# Altium PCB amp.PcbDoc (part 5 of 20) (continued)
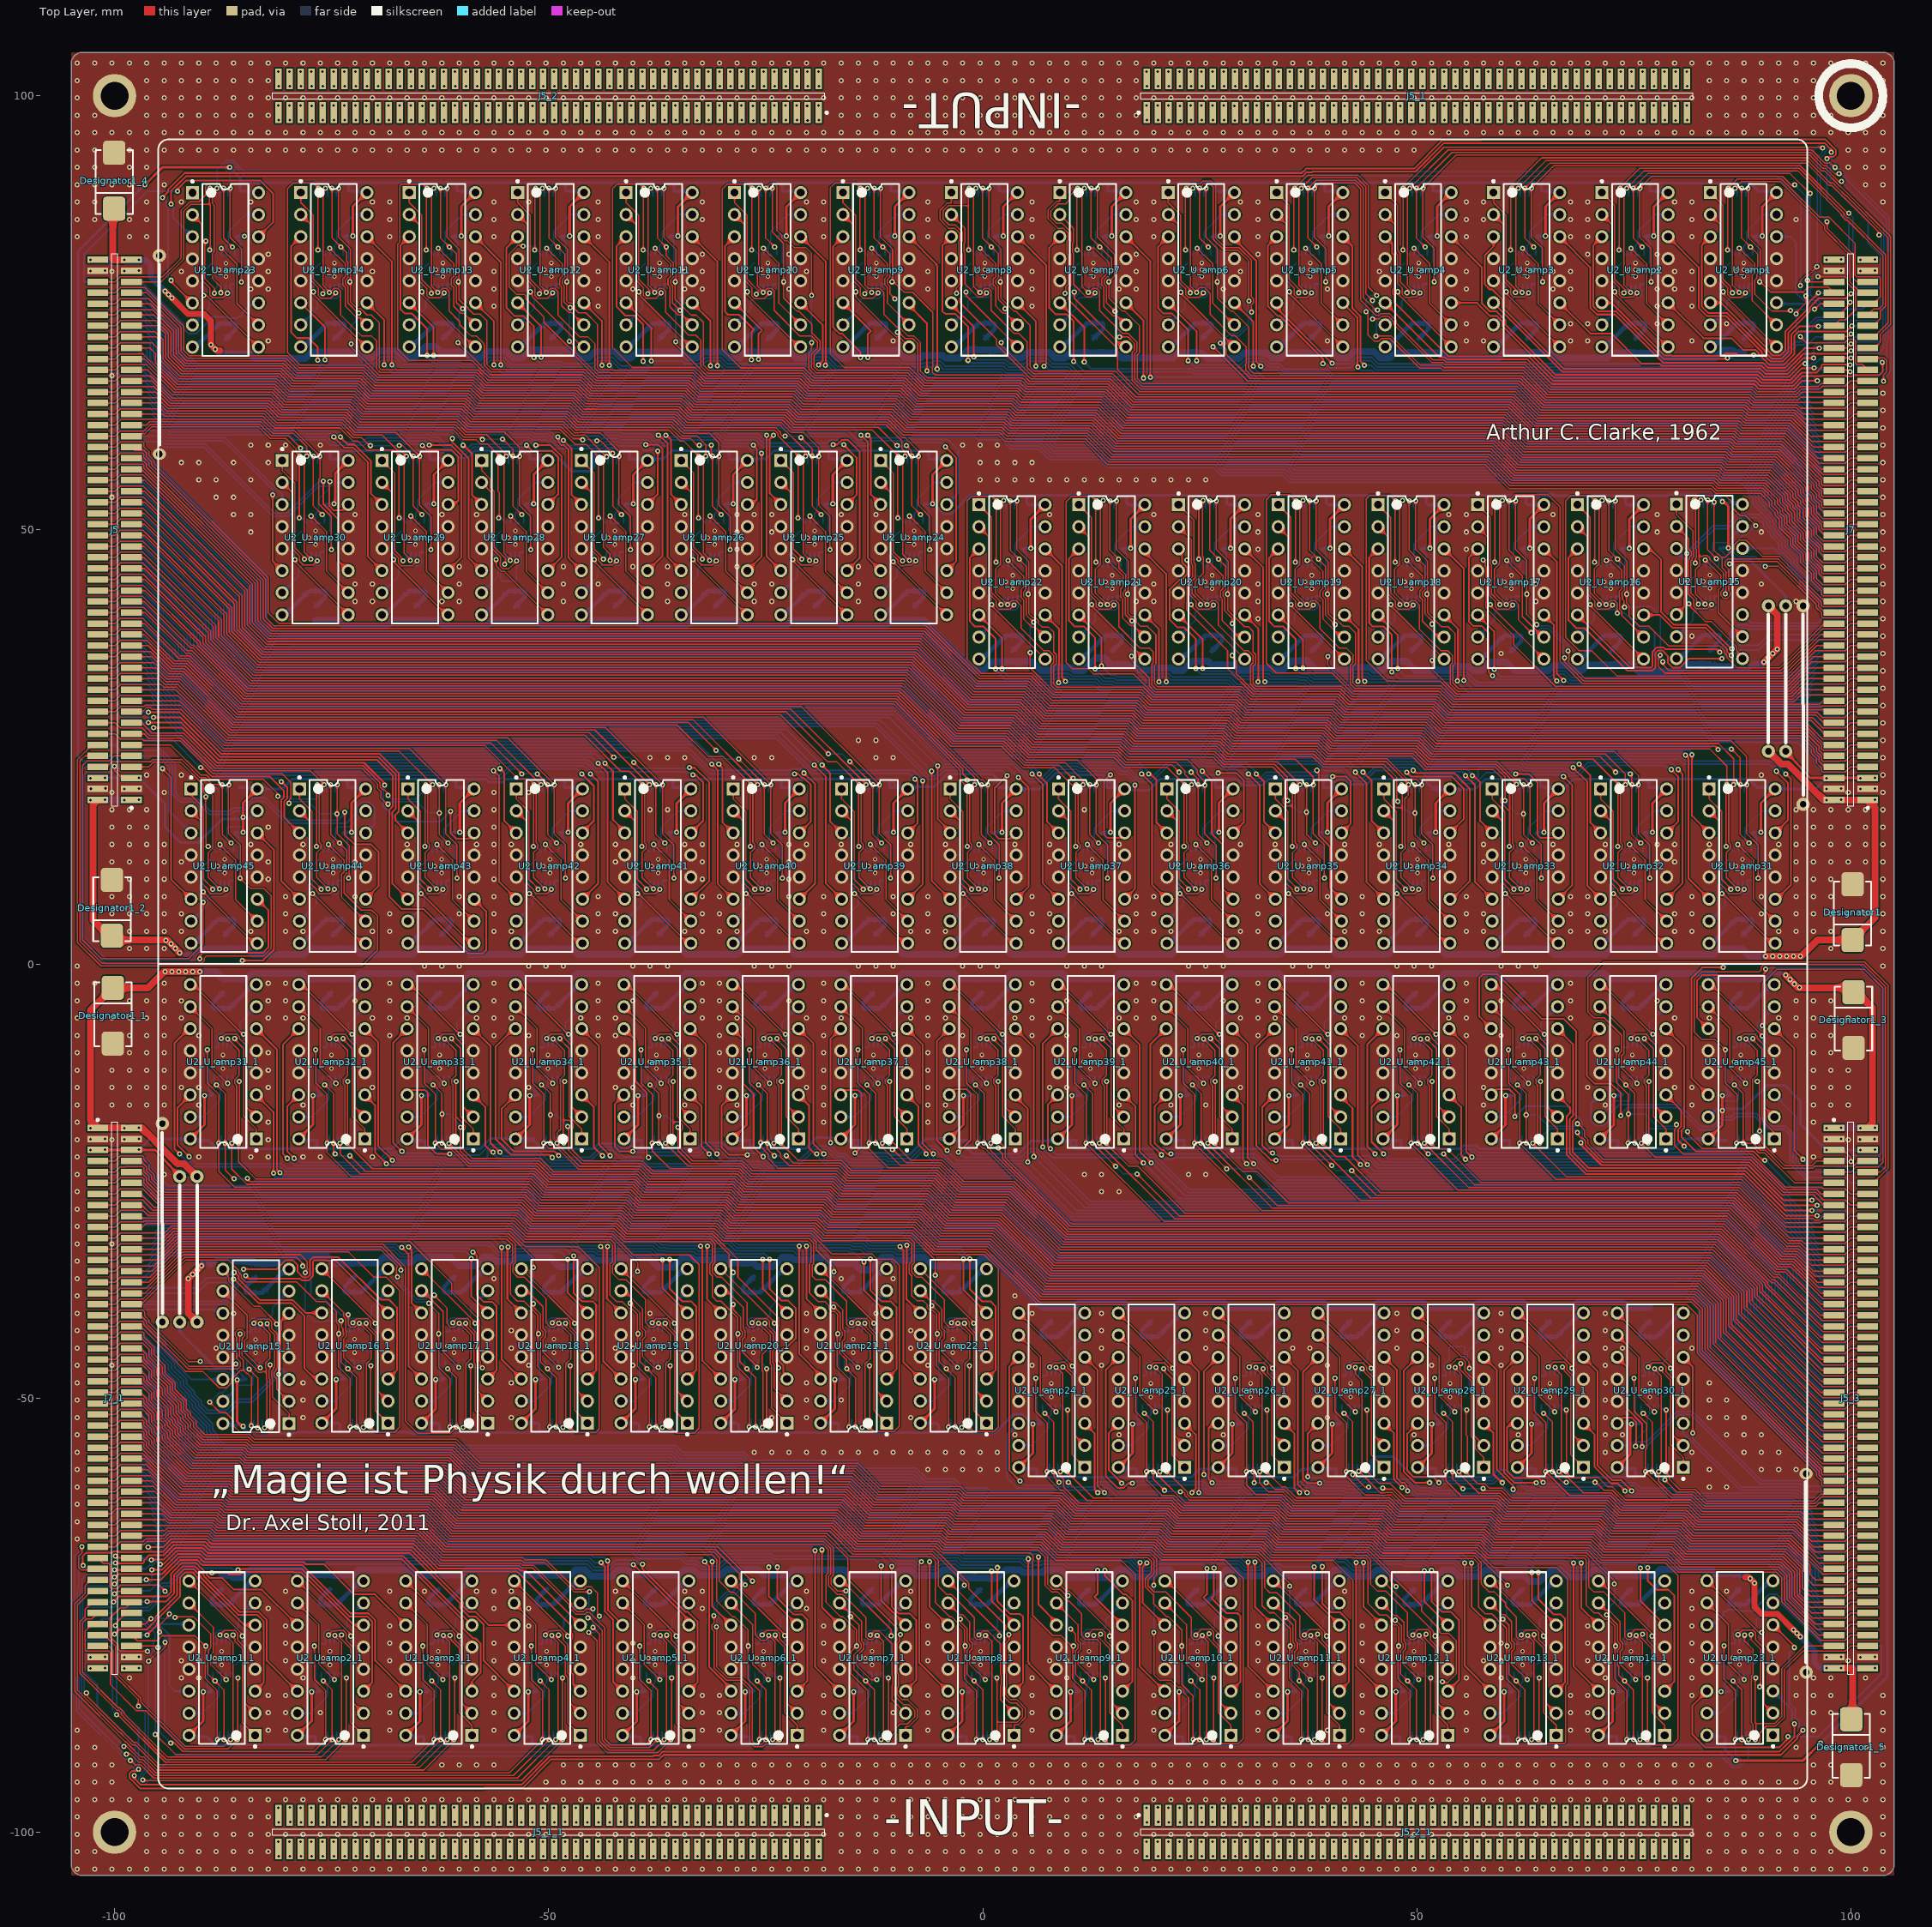
[diagram p0: Top Layer view]
## Nets (pads, with @x,y where several pads share a name; then routed paths per layer and width w, separated by ;. In a path a pad name is that pad's centre, name@x,y a point inside that pad or via, vN(x,y) a via of type N, cw(c..) or ccw(c..) an arc to the next point about the centre after c; other vN are vias at no path point) (continued)
EN1I_U_amp39: U1_U_amp39.6 U1_U_amp39_1.6 U2_U_amp39.1 U2_U_amp39_1.1 | length 27.5
  Top Layer w0.15: U2_U_amp39.1@-16.254,20.163 -16.254,19.002 -14.807,17.556 -14.807,9.754 -13.759,8.706 v1(-13.759,8.6) ; v1(13.759,-8.6) 13.759,-8.706 14.807,-9.754 14.807,-17.556 16.254,-19.002 U2_U_amp39_1.1@16.254,-20.163
  Bottom Layer w0.15: v1(-13.759,8.6) -13.387,8.972 U1_U_amp39.6@-13.387,9.618 ; U1_U_amp39_1.6@13.387,-9.618 13.387,-8.972 v1(13.759,-8.6)
EN1I_U_amp40: U1_U_amp40.6 U1_U_amp40_1.6 U2_U_amp40.1 U2_U_amp40_1.1 | length 27.5
  Top Layer w0.15: U2_U_amp40.1@-28.744,20.163 -28.744,19.002 -27.297,17.556 -27.297,9.754 -26.249,8.706 v1(-26.249,8.6) ; v1(26.249,-8.6) 26.249,-8.706 27.297,-9.754 27.297,-17.556 28.744,-19.002 U2_U_amp40_1.1@28.744,-20.163
  Bottom Layer w0.15: v1(-26.249,8.6) -25.877,8.972 U1_U_amp40.6@-25.877,9.618 ; U1_U_amp40_1.6@25.877,-9.618 25.877,-8.972 v1(26.249,-8.6)
EN1I_U_amp41: U1_U_amp41.6 U1_U_amp41_1.6 U2_U_amp41.1 U2_U_amp41_1.1 | length 27.5
  Top Layer w0.15: U2_U_amp41.1@-41.234,20.163 -41.234,19.002 -39.788,17.556 -39.788,9.754 -38.739,8.706 v1(-38.739,8.6) ; v1(38.739,-8.6) 38.739,-8.706 39.788,-9.754 39.788,-17.556 41.234,-19.002 U2_U_amp41_1.1@41.234,-20.163
  Bottom Layer w0.15: v1(-38.739,8.6) -38.367,8.972 U1_U_amp41.6@-38.367,9.618 ; U1_U_amp41_1.6@38.367,-9.618 38.367,-8.972 v1(38.739,-8.6)
EN1I_U_amp42: U1_U_amp42.6 U1_U_amp42_1.6 U2_U_amp42.1 U2_U_amp42_1.1 | length 27.5
  Top Layer w0.15: U2_U_amp42.1@-53.724,20.163 -53.724,19.002 -52.278,17.556 -52.278,9.754 -51.229,8.706 v1(-51.229,8.6) ; v1(51.229,-8.6) 51.229,-8.706 52.278,-9.754 52.278,-17.556 53.724,-19.002 U2_U_amp42_1.1@53.724,-20.163
  Bottom Layer w0.15: v1(-51.229,8.6) -50.857,8.972 U1_U_amp42.6@-50.857,9.618 ; U1_U_amp42_1.6@50.857,-9.618 50.857,-8.972 v1(51.229,-8.6)
EN1I_U_amp43: U1_U_amp43.6 U1_U_amp43_1.6 U2_U_amp43.1 U2_U_amp43_1.1 | length 27.5
  Top Layer w0.15: U2_U_amp43.1@-66.214,20.163 -66.214,19.002 -64.768,17.556 -64.768,9.754 -63.719,8.706 v1(-63.719,8.6) ; v1(63.719,-8.6) 63.719,-8.706 64.768,-9.754 64.768,-17.556 66.214,-19.002 U2_U_amp43_1.1@66.214,-20.163
  Bottom Layer w0.15: v1(-63.719,8.6) -63.347,8.972 U1_U_amp43.6@-63.347,9.618 ; U1_U_amp43_1.6@63.347,-9.618 63.347,-8.972 v1(63.719,-8.6)
EN1I_U_amp44: U1_U_amp44.6 U1_U_amp44_1.6 U2_U_amp44.1 U2_U_amp44_1.1 | length 27.5
  Top Layer w0.15: U2_U_amp44.1@-78.705,20.163 -78.705,19.002 -77.258,17.556 -77.258,9.754 -76.21,8.706 v1(-76.21,8.6) ; v1(76.21,-8.6) 76.21,-8.706 77.258,-9.754 77.258,-17.556 78.705,-19.002 U2_U_amp44_1.1@78.705,-20.163
  Bottom Layer w0.15: v1(-76.21,8.6) -75.838,8.972 U1_U_amp44.6@-75.838,9.618 ; U1_U_amp44_1.6@75.838,-9.618 75.838,-8.972 v1(76.21,-8.6)
EN1I_U_amp45: U1_U_amp45.6 U1_U_amp45_1.6 U2_U_amp45.1 U2_U_amp45_1.1 | length 27.5
  Top Layer w0.15: U2_U_amp45.1@-91.195,20.163 -91.195,19.445 -89.8,18.05 -89.8,17.607 -89.748,17.556 -89.748,9.754 -88.7,8.706 v1(-88.7,8.6) ; v1(88.7,-8.6) 88.7,-8.706 89.748,-9.754 89.748,-17.556 89.8,-17.607 89.8,-18.05 91.195,-19.445 U2_U_amp45_1.1@91.195,-20.163
  Bottom Layer w0.15: v1(-88.7,8.6) -88.328,8.972 U1_U_amp45.6@-88.328,9.618 ; U1_U_amp45_1.6@88.328,-9.618 88.328,-8.972 v1(88.7,-8.6)
EN1I_U_amp46: 
EN1I_U_amp47: 
EN1I_U_amp48: 
EN1I_U_amp49: 
EN1I_U_amp50: 
EN1I_U_amp51: 
EN1I_U_amp52: 
EN1I_U_amp53: 
EN1I_U_amp54: 
EN1I_U_amp55: 
EN1I_U_amp56: 
EN1I_U_amp57: 
EN1I_U_amp58: 
EN1I_U_amp59: 
EN1I_U_amp60: 
EN1I_U_amp61: 
EN1I_U_amp62: 
EN1I_U_amp63: 
EN1I_U_amp64: 
EN1I_U_amp65: 
EN1I_U_amp66: 
EN1I_U_amp67: 
EN1I_U_amp68: 
EN1I_U_amp69: 
EN1I_U_amp70: 
EN1I_U_amp71: 
EN1I_U_amp72: 
EN1I_U_amp73: 
EN1I_U_amp74: 
EN1I_U_amp75: 
EN1I_U_amp76: 
EN1I_U_amp77: 
EN1I_U_amp78: 
EN1I_U_amp79: 
EN1I_U_amp80: 
EN1I_U_amp81: 
EN1I_U_amp82: 
EN1I_U_amp83: 
EN1I_U_amp84: 
EN1I_U_amp85: 
EN1I_U_amp86: 
EN1I_U_amp87: 
EN1I_U_amp88: 
EN1I_U_amp89: 
EN1I_U_amp90: 
EN2I_U_amp1: U1_U_amp1.8 U1_U_amp1_1.8 U2_U_amp1.9 U2_U_amp1_1.9 | length 25
  Top Layer w0.15: U2_U_amp1_1.9@-91.44,-71.07 -91.415,-71.07 -85.293,-77.192 v1(-85.293,-77.419) ; v1(85.293,77.419) 85.293,77.192 91.415,71.07 U2_U_amp1.9@91.44,71.07
  Bottom Layer w0.15: U1_U_amp1_1.8@-86.038,-80.705 -85.487,-80.155 -85.293,-79.961 v1(-85.293,-77.419) ; v1(85.293,77.419) 85.293,79.961 85.487,80.155 U1_U_amp1.8@86.038,80.705
EN2I_U_amp2: U1_U_amp2.8 U1_U_amp2_1.8 U2_U_amp2.9 U2_U_amp2_1.9 | length 25
  Top Layer w0.15: U2_U_amp2_1.9@-78.95,-71.07 -78.918,-71.07 -73.038,-76.95 -73.038,-76.982 -72.796,-77.224 v1(-72.796,-77.419) ; v1(72.796,77.419) 72.796,77.224 73.038,76.982 73.038,76.95 78.918,71.07 U2_U_amp2.9@78.95,71.07
  Bottom Layer w0.15: U1_U_amp2_1.8@-73.547,-80.705 -72.997,-80.155 -72.796,-79.954 v1(-72.796,-77.419) ; v1(72.796,77.419) 72.796,79.954 72.997,80.155 U1_U_amp2.8@73.547,80.705
EN2I_U_amp3: U1_U_amp3.8 U1_U_amp3_1.8 U2_U_amp3.9 U2_U_amp3_1.9 | length 25
  Top Layer w0.15: U2_U_amp3_1.9@-66.46,-71.07 -60.3,-77.231 v1(-60.3,-77.419) ; v1(60.3,77.419) 60.3,77.231 U2_U_amp3.9@66.46,71.07
  Bottom Layer w0.15: U1_U_amp3_1.8@-61.057,-80.705 -60.507,-80.155 -60.3,-79.948 v1(-60.3,-77.419) ; v1(60.3,77.419) 60.3,79.948 60.507,80.155 U1_U_amp3.8@61.057,80.705
EN2I_U_amp4: U1_U_amp4.8 U1_U_amp4_1.8 U2_U_amp4.9 U2_U_amp4_1.9 | length 25
  Top Layer w0.15: U2_U_amp4_1.9@-53.97,-71.07 -53.95,-71.07 -47.803,-77.218 v1(-47.803,-77.419) ; v1(47.803,77.419) 47.803,77.218 53.95,71.07 U2_U_amp4.9@53.97,71.07
  Bottom Layer w0.15: U1_U_amp4_1.8@-48.567,-80.705 -48.016,-80.155 -47.803,-79.941 v1(-47.803,-77.419) ; v1(47.803,77.419) 47.803,79.941 48.016,80.155 U1_U_amp4.8@48.567,80.705
EN2I_U_amp5: U1_U_amp5.8 U1_U_amp5_1.8 U2_U_amp5.9 U2_U_amp5_1.9 | length 25
  Top Layer w0.15: U2_U_amp5_1.9@-41.48,-71.07 -35.331,-77.218 v1(-35.331,-77.419) ; v1(35.331,77.419) 35.331,77.218 U2_U_amp5.9@41.48,71.07
  Bottom Layer w0.15: U1_U_amp5_1.8@-36.077,-80.705 -35.526,-80.155 -35.331,-79.96 v1(-35.331,-77.419) ; v1(35.331,77.419) 35.331,79.96 35.526,80.155 U1_U_amp5.8@36.077,80.705
EN2I_U_amp6: U1_U_amp6.8 U1_U_amp6_1.8 U2_U_amp6.9 U2_U_amp6_1.9 | length 25
  Top Layer w0.15: U2_U_amp6_1.9@-28.989,-71.07 -28.982,-71.07 -22.835,-77.218 v1(-22.835,-77.368) ; v1(22.835,77.368) 22.835,77.218 28.982,71.07 U2_U_amp6.9@28.989,71.07
  Bottom Layer w0.15: U1_U_amp6_1.8@-23.586,-80.705 -23.036,-80.155 -22.835,-79.953 v1(-22.835,-77.368) ; v1(22.835,77.368) 22.835,79.953 23.036,80.155 U1_U_amp6.8@23.586,80.705
EN2I_U_amp7: U1_U_amp7.8 U1_U_amp7_1.8 U2_U_amp7.9 U2_U_amp7_1.9 | length 25.1
  Top Layer w0.15: U2_U_amp7_1.9@-16.499,-71.07 -16.297,-71.272 -15.945,-71.272 -10.546,-76.672 v1(-10.546,-77.414) ; v1(10.546,77.414) 10.546,76.672 15.945,71.272 16.297,71.272 U2_U_amp7.9@16.499,71.07
  Bottom Layer w0.15: U1_U_amp7_1.8@-11.096,-80.705 -10.546,-80.155 v1(-10.546,-77.414) ; v1(10.546,77.414) 10.546,80.155 U1_U_amp7.8@11.096,80.705
EN2I_U_amp8: U1_U_amp8.8 U1_U_amp8_1.8 U2_U_amp8.9 U2_U_amp8_1.9 | length 24.7
  Top Layer w0.15: U2_U_amp8_1.9@-4.009,-71.07 1.944,-77.024 v1(1.944,-77.414) ; v1(-1.944,77.414) -1.944,77.024 U2_U_amp8.9@4.009,71.07
  Bottom Layer w0.15: v1(-1.944,77.414) -1.944,80.155 U1_U_amp8.8@-1.394,80.705 ; U1_U_amp8_1.8@1.394,-80.705 1.944,-80.155 v1(1.944,-77.414)
EN2I_U_amp9: U1_U_amp9.8 U1_U_amp9_1.8 U2_U_amp9.9 U2_U_amp9_1.9 | length 25.4
  Top Layer w0.15: v1(-14.63,77.419) -14.63,76.855 -10.022,72.246 -9.657,72.246 U2_U_amp9.9@-8.481,71.07 ; U2_U_amp9_1.9@8.481,-71.07 9.657,-72.246 10.022,-72.246 14.63,-76.855 v1(14.63,-77.419)
  Bottom Layer w0.15: v1(-14.63,77.419) -14.63,79.959 -14.435,80.155 U1_U_amp9.8@-13.884,80.705 ; U1_U_amp9_1.8@13.884,-80.705 14.435,-80.155 14.63,-79.959 v1(14.63,-77.419)
EN2I_U_amp10: U1_U_amp10.8 U1_U_amp10_1.8 U2_U_amp10.9 U2_U_amp10_1.9 | length 25.2
  Top Layer w0.15: v1(-27.127,77.419) -27.127,77.04 -21.158,71.07 U2_U_amp10.9@-20.971,71.07 ; U2_U_amp10_1.9@20.971,-71.07 21.158,-71.07 27.127,-77.04 v1(27.127,-77.419)
  Bottom Layer w0.15: v1(-27.127,77.419) -27.127,79.952 -26.925,80.155 U1_U_amp10.8@-26.374,80.705 ; U1_U_amp10_1.8@26.374,-80.705 26.925,-80.155 27.127,-79.952 v1(27.127,-77.419)
EN2I_U_amp11: U1_U_amp11.8 U1_U_amp11_1.8 U2_U_amp11.9 U2_U_amp11_1.9 | length 25.1
  Top Layer w0.15: v1(-39.624,77.419) -39.624,77.233 -39.382,76.991 -39.382,76.874 -33.578,71.07 U2_U_amp11.9@-33.462,71.07 ; U2_U_amp11_1.9@33.462,-71.07 33.578,-71.07 39.382,-76.874 39.382,-76.991 39.624,-77.233 v1(39.624,-77.419)
  Bottom Layer w0.15: v1(-39.624,77.419) -39.624,79.946 -39.415,80.155 U1_U_amp11.8@-38.864,80.705 ; U1_U_amp11_1.8@38.864,-80.705 39.415,-80.155 39.624,-79.946 v1(39.624,-77.419)
EN2I_U_amp12: U1_U_amp12.8 U1_U_amp12_1.8 U2_U_amp12.9 U2_U_amp12_1.9 | length 25.2
  Top Layer w0.15: v1(-52.121,77.419) -52.121,77.239 -51.879,76.998 -51.879,76.849 -46.101,71.07 U2_U_amp12.9@-45.952,71.07 ; U2_U_amp12_1.9@45.952,-71.07 46.101,-71.07 51.879,-76.849 51.879,-76.998 52.121,-77.239 v1(52.121,-77.419)
  Bottom Layer w0.15: v1(-52.121,77.419) -52.121,79.939 -51.905,80.155 U1_U_amp12.8@-51.355,80.705 ; U1_U_amp12_1.8@51.355,-80.705 51.905,-80.155 52.121,-79.939 v1(52.121,-77.419)
EN2I_U_amp13: U1_U_amp13.8 U1_U_amp13_1.8 U2_U_amp13.9 U2_U_amp13_1.9 | length 25.1
  Top Layer w0.15: v1(-64.592,77.419) -64.592,77.141 -58.521,71.07 U2_U_amp13.9@-58.442,71.07 ; U2_U_amp13_1.9@58.442,-71.07 58.521,-71.07 64.592,-77.141 v1(64.592,-77.419)
  Bottom Layer w0.15: v1(-64.592,77.419) -64.592,79.958 -64.395,80.155 U1_U_amp13.8@-63.845,80.705 ; U1_U_amp13_1.8@63.845,-80.705 64.395,-80.155 64.592,-79.958 v1(64.592,-77.419)
EN2I_U_amp14: U1_U_amp14.8 U1_U_amp14_1.8 U2_U_amp14.9 U2_U_amp14_1.9 | length 25.1
  Top Layer w0.15: v1(-77.089,77.419) -77.089,77.116 -71.043,71.07 U2_U_amp14.9@-70.932,71.07 ; U2_U_amp14_1.9@70.932,-71.07 71.043,-71.07 77.089,-77.116 v1(77.089,-77.419)
  Bottom Layer w0.15: v1(-77.089,77.419) -77.089,79.951 -76.886,80.155 U1_U_amp14.8@-76.335,80.705 ; U1_U_amp14_1.8@76.335,-80.705 76.886,-80.155 77.089,-79.951 v1(77.089,-77.419)
EN2I_U_amp15: U1_U_amp15.8 U1_U_amp15_1.8 U2_U_amp15.9 U2_U_amp15_1.9 | length 25.8
  Top Layer w0.15: U2_U_amp15_1.9@-87.528,-35.154 -87,-35.682 -87,-35.939 -86.834,-36.105 -86.834,-36.539 -83.958,-39.416 -83.266,-39.416 -81.365,-41.317 v1(-81.365,-41.502) ; v1(81.365,41.502) 81.365,41.317 83.266,39.416 83.958,39.416 86.834,36.539 86.834,36.105 87,35.939 87,35.682 U2_U_amp15.9@87.528,35.154
  Bottom Layer w0.15: U1_U_amp15_1.8@-82.125,-44.789 -81.575,-44.238 -81.365,-44.028 v1(-81.365,-41.502) ; v1(81.365,41.502) 81.365,44.028 81.575,44.238 U1_U_amp15.8@82.125,44.789
EN2I_U_amp16: U1_U_amp16.8 U1_U_amp16_1.8 U2_U_amp16.9 U2_U_amp16_1.9 | length 25
  Top Layer w0.15: U2_U_amp16_1.9@-76.13,-35.11 -69.977,-41.263 v1(-69.977,-41.402) ; v1(69.977,41.402) 69.977,41.263 U2_U_amp16.9@76.13,35.11
  Bottom Layer w0.15: U1_U_amp16_1.8@-70.727,-44.745 -70.177,-44.195 -69.977,-43.995 v1(-69.977,-41.402) ; v1(69.977,41.402) 69.977,43.995 70.177,44.195 U1_U_amp16.8@70.727,44.745
EN2I_U_amp17: U1_U_amp17.8 U1_U_amp17_1.8 U2_U_amp17.9 U2_U_amp17_1.9 | length 25
  Top Layer w0.15: U2_U_amp17_1.9@-64.64,-35.11 -58.487,-41.263 v1(-58.487,-41.402) ; v1(58.487,41.402) 58.487,41.263 U2_U_amp17.9@64.64,35.11
  Bottom Layer w0.15: U1_U_amp17_1.8@-59.237,-44.745 -58.687,-44.195 -58.487,-43.995 v1(-58.487,-41.402) ; v1(58.487,41.402) 58.487,43.995 58.687,44.195 U1_U_amp17.8@59.237,44.745
EN2I_U_amp18: U1_U_amp18.8 U1_U_amp18_1.8 U2_U_amp18.9 U2_U_amp18_1.9 | length 25
  Top Layer w0.15: U2_U_amp18_1.9@-53.15,-35.11 -46.997,-41.263 v1(-46.997,-41.402) ; v1(46.997,41.402) 46.997,41.263 U2_U_amp18.9@53.15,35.11
  Bottom Layer w0.15: U1_U_amp18_1.8@-47.747,-44.745 -47.196,-44.195 -46.997,-43.995 v1(-46.997,-41.402) ; v1(46.997,41.402) 46.997,43.995 47.196,44.195 U1_U_amp18.8@47.747,44.745
EN2I_U_amp19: U1_U_amp19.8 U1_U_amp19_1.8 U2_U_amp19.9 U2_U_amp19_1.9 | length 25
  Top Layer w0.15: U2_U_amp19_1.9@-41.66,-35.11 -35.506,-41.263 v1(-35.506,-41.402) ; v1(35.506,41.402) 35.506,41.263 U2_U_amp19.9@41.66,35.11
  Bottom Layer w0.15: U1_U_amp19_1.8@-36.257,-44.745 -35.706,-44.195 -35.506,-43.995 v1(-35.506,-41.402) ; v1(35.506,41.402) 35.506,43.995 35.706,44.195 U1_U_amp19.8@36.257,44.745
EN2I_U_amp20: U1_U_amp20.8 U1_U_amp20_1.8 U2_U_amp20.9 U2_U_amp20_1.9 | length 25
  Top Layer w0.15: U2_U_amp20_1.9@-30.169,-35.11 -24.016,-41.263 v1(-24.016,-41.402) ; v1(24.016,41.402) 24.016,41.263 U2_U_amp20.9@30.169,35.11
  Bottom Layer w0.15: U1_U_amp20_1.8@-24.766,-44.745 -24.216,-44.195 -24.016,-43.995 v1(-24.016,-41.402) ; v1(24.016,41.402) 24.016,43.995 24.216,44.195 U1_U_amp20.8@24.766,44.745
EN2I_U_amp21: U1_U_amp21.8 U1_U_amp21_1.8 U2_U_amp21.9 U2_U_amp21_1.9 | length 25
  Top Layer w0.15: U2_U_amp21_1.9@-18.679,-35.11 -12.526,-41.263 v1(-12.526,-41.402) ; v1(12.526,41.402) 12.526,41.263 U2_U_amp21.9@18.679,35.11
  Bottom Layer w0.15: U1_U_amp21_1.8@-13.276,-44.745 -12.726,-44.195 -12.526,-43.995 v1(-12.526,-41.402) ; v1(12.526,41.402) 12.526,43.995 12.726,44.195 U1_U_amp21.8@13.276,44.745
EN2I_U_amp22: U1_U_amp22.8 U1_U_amp22_1.8 U2_U_amp22.9 U2_U_amp22_1.9 | length 25
  Top Layer w0.15: U2_U_amp22_1.9@-7.189,-35.11 -1.036,-41.263 v1(-1.036,-41.402) ; v1(1.036,41.402) 1.036,41.263 U2_U_amp22.9@7.189,35.11
  Bottom Layer w0.15: U1_U_amp22_1.8@-1.786,-44.745 -1.236,-44.195 -1.036,-43.995 v1(-1.036,-41.402) ; v1(1.036,41.402) 1.036,43.995 1.236,44.195 U1_U_amp22.8@1.786,44.745
EN2I_U_amp23: U1_U_amp23.8 U1_U_amp23_1.8 U2_U_amp23.9 U2_U_amp23_1.9 | length 25.7
  Top Layer w0.15: v1(-89.75,77) -89.417,77 -83.467,71.05 U2_U_amp23.9@-83.421,71.05 ; U2_U_amp23_1.9@83.421,-71.05 83.467,-71.05 89.417,-77 v1(89.75,-77)
  Bottom Layer w0.15: v1(-89.75,77) -89.75,79.759 -89.375,80.134 U1_U_amp23.8@-88.824,80.685 ; U1_U_amp23_1.8@88.824,-80.685 89.375,-80.134 89.75,-79.759 v1(89.75,-77)
EN2I_U_amp24: U1_U_amp24.8 U1_U_amp24_1.8 U2_U_amp24.9 U2_U_amp24_1.9 | length 25.2
  Top Layer w0.15: v1(-10.338,46.33) -10.311,46.33 -4.197,40.216 U2_U_amp24.9@-4.137,40.216 ; U2_U_amp24_1.9@4.137,-40.216 4.197,-40.216 10.311,-46.33 v1(10.338,-46.33)
  Bottom Layer w0.15: v1(-10.338,46.33) -10.338,49.053 -10.09,49.301 U1_U_amp24.8@-9.54,49.851 ; U1_U_amp24_1.8@9.54,-49.851 10.09,-49.301 10.338,-49.053 v1(10.338,-46.33)
EN2I_U_amp25: U1_U_amp25.8 U1_U_amp25_1.8 U2_U_amp25.9 U2_U_amp25_1.9 | length 25.2
  Top Layer w0.15: v1(-21.895,46.558) -21.895,46.484 U2_U_amp25.9@-15.627,40.216 ; U2_U_amp25_1.9@15.627,-40.216 21.895,-46.484 v1(21.895,-46.558)
  Bottom Layer w0.15: v1(-21.895,46.558) -21.895,48.986 -21.581,49.301 U1_U_amp25.8@-21.03,49.851 ; U1_U_amp25_1.8@21.03,-49.851 21.581,-49.301 21.895,-48.986 v1(21.895,-46.558)
EN2I_U_amp26: U1_U_amp26.8 U1_U_amp26_1.8 U2_U_amp26.9 U2_U_amp26_1.9 | length 25.2
  Top Layer w0.15: v1(-33.376,46.558) -33.376,46.474 U2_U_amp26.9@-27.117,40.216 ; U2_U_amp26_1.9@27.117,-40.216 33.376,-46.474 v1(33.376,-46.558)
  Bottom Layer w0.15: v1(-33.376,46.558) -33.376,48.996 -33.071,49.301 U1_U_amp26.8@-32.52,49.851 ; U1_U_amp26_1.8@32.52,-49.851 33.071,-49.301 33.376,-48.996 v1(33.376,-46.558)
EN2I_U_amp27: U1_U_amp27.8 U1_U_amp27_1.8 U2_U_amp27.9 U2_U_amp27_1.9 | length 25
  Top Layer w0.15: v1(-44.755,46.558) -44.755,46.363 U2_U_amp27.9@-38.608,40.216 ; U2_U_amp27_1.9@38.608,-40.216 44.755,-46.363 v1(44.755,-46.558)
  Bottom Layer w0.15: v1(-44.755,46.558) -44.755,49.107 -44.561,49.301 U1_U_amp27.8@-44.01,49.851 ; U1_U_amp27_1.8@44.01,-49.851 44.561,-49.301 44.755,-49.107 v1(44.755,-46.558)
EN2I_U_amp28: U1_U_amp28.8 U1_U_amp28_1.8 U2_U_amp28.9 U2_U_amp28_1.9 | length 25
  Top Layer w0.15: v1(-56.051,46.56) -56.051,45.867 -55.409,45.225 -55.107,45.225 U2_U_amp28.9@-50.098,40.216 ; U2_U_amp28_1.9@50.098,-40.216 55.107,-45.225 55.409,-45.225 56.051,-45.867 v1(56.051,-46.56)
  Bottom Layer w0.15: v1(-56.051,46.56) -56.051,49.301 U1_U_amp28.8@-55.501,49.851 ; U1_U_amp28_1.8@55.501,-49.851 56.051,-49.301 v1(56.051,-46.56)
EN2I_U_amp29: U1_U_amp29.8 U1_U_amp29_1.8 U2_U_amp29.9 U2_U_amp29_1.9 | length 25.4
  Top Layer w0.15: v1(-67.843,46.558) -67.843,46.306 -61.754,40.216 U2_U_amp29.9@-61.588,40.216 ; U2_U_amp29_1.9@61.588,-40.216 61.754,-40.216 67.843,-46.306 v1(67.843,-46.558)
  Bottom Layer w0.15: v1(-67.843,46.558) -67.843,48.999 -67.541,49.301 U1_U_amp29.8@-66.991,49.851 ; U1_U_amp29_1.8@66.991,-49.851 67.541,-49.301 67.843,-48.999 v1(67.843,-46.558)
EN2I_U_amp30: U1_U_amp30.8 U1_U_amp30_1.8 U2_U_amp30.9 U2_U_amp30_1.9 | length 25
  Top Layer w0.15: v1(-79.223,46.558) -79.223,46.361 U2_U_amp30.9@-73.078,40.216 ; U2_U_amp30_1.9@73.078,-40.216 79.223,-46.361 v1(79.223,-46.558)
  Bottom Layer w0.15: v1(-79.223,46.558) -79.223,49.11 -79.032,49.301 U1_U_amp30.8@-78.481,49.851 ; U1_U_amp30_1.8@78.481,-49.851 79.032,-49.301 79.223,-49.11 v1(79.223,-46.558)
EN2I_U_amp31: U1_U_amp31.8 U1_U_amp31_1.8 U2_U_amp31.9 U2_U_amp31_1.9 | length 25.6
  Top Layer w0.15: U2_U_amp31_1.9@-91.288,-2.383 -90.945,-2.383 -85.163,-8.165 v1(-85.163,-8.1) ; v1(85.163,8.1) 85.163,8.165 90.945,2.383 U2_U_amp31.9@91.288,2.383
  Bottom Layer w0.15: U1_U_amp31_1.8@-85.885,-12.018 -85.335,-11.468 -85.163,-11.296 v1(-85.163,-8.1) ; v1(85.163,8.1) 85.163,11.296 85.335,11.468 U1_U_amp31.8@85.885,12.018
EN2I_U_amp32: U1_U_amp32.8 U1_U_amp32_1.8 U2_U_amp32.9 U2_U_amp32_1.9 | length 25.6
  Top Layer w0.15: U2_U_amp32_1.9@-78.798,-2.383 -78.455,-2.383 -72.673,-8.165 v1(-72.673,-8.1) ; v1(72.673,8.1) 72.673,8.165 78.455,2.383 U2_U_amp32.9@78.798,2.383
  Bottom Layer w0.15: U1_U_amp32_1.8@-73.395,-12.018 -72.844,-11.468 -72.673,-11.296 v1(-72.673,-8.1) ; v1(72.673,8.1) 72.673,11.296 72.844,11.468 U1_U_amp32.8@73.395,12.018
EN2I_U_amp33: U1_U_amp33.8 U1_U_amp33_1.8 U2_U_amp33.9 U2_U_amp33_1.9 | length 25.6
  Top Layer w0.15: U2_U_amp33_1.9@-66.308,-2.383 -65.964,-2.383 -60.183,-8.165 v1(-60.183,-8.1) ; v1(60.183,8.1) 60.183,8.165 65.964,2.383 U2_U_amp33.9@66.308,2.383
  Bottom Layer w0.15: U1_U_amp33_1.8@-60.905,-12.018 -60.354,-11.468 -60.183,-11.296 v1(-60.183,-8.1) ; v1(60.183,8.1) 60.183,11.296 60.354,11.468 U1_U_amp33.8@60.905,12.018
EN2I_U_amp34: U1_U_amp34.8 U1_U_amp34_1.8 U2_U_amp34.9 U2_U_amp34_1.9 | length 25.6
  Top Layer w0.15: U2_U_amp34_1.9@-53.817,-2.383 -53.474,-2.383 -47.692,-8.165 v1(-47.692,-8.1) ; v1(47.692,8.1) 47.692,8.165 53.474,2.383 U2_U_amp34.9@53.817,2.383
  Bottom Layer w0.15: U1_U_amp34_1.8@-48.414,-12.018 -47.864,-11.468 -47.692,-11.296 v1(-47.692,-8.1) ; v1(47.692,8.1) 47.692,11.296 47.864,11.468 U1_U_amp34.8@48.414,12.018
EN2I_U_amp35: U1_U_amp35.8 U1_U_amp35_1.8 U2_U_amp35.9 U2_U_amp35_1.9 | length 25.6
  Top Layer w0.15: U2_U_amp35_1.9@-41.327,-2.383 -40.984,-2.383 -35.202,-8.165 v1(-35.202,-8.1) ; v1(35.202,8.1) 35.202,8.165 40.984,2.383 U2_U_amp35.9@41.327,2.383
  Bottom Layer w0.15: U1_U_amp35_1.8@-35.924,-12.018 -35.374,-11.468 -35.202,-11.296 v1(-35.202,-8.1) ; v1(35.202,8.1) 35.202,11.296 35.374,11.468 U1_U_amp35.8@35.924,12.018
EN2I_U_amp36: U1_U_amp36.8 U1_U_amp36_1.8 U2_U_amp36.9 U2_U_amp36_1.9 | length 25.6
  Top Layer w0.15: U2_U_amp36_1.9@-28.837,-2.383 -28.494,-2.383 -22.712,-8.165 v1(-22.712,-8.1) ; v1(22.712,8.1) 22.712,8.165 28.494,2.383 U2_U_amp36.9@28.837,2.383
  Bottom Layer w0.15: U1_U_amp36_1.8@-23.434,-12.018 -22.884,-11.468 -22.712,-11.296 v1(-22.712,-8.1) ; v1(22.712,8.1) 22.712,11.296 22.884,11.468 U1_U_amp36.8@23.434,12.018
EN2I_U_amp37: U1_U_amp37.8 U1_U_amp37_1.8 U2_U_amp37.9 U2_U_amp37_1.9 | length 25.6
  Top Layer w0.15: U2_U_amp37_1.9@-16.347,-2.383 -16.004,-2.383 -10.222,-8.165 v1(-10.222,-8.1) ; v1(10.222,8.1) 10.222,8.165 16.004,2.383 U2_U_amp37.9@16.347,2.383
  Bottom Layer w0.15: U1_U_amp37_1.8@-10.944,-12.018 -10.393,-11.468 -10.222,-11.296 v1(-10.222,-8.1) ; v1(10.222,8.1) 10.222,11.296 10.393,11.468 U1_U_amp37.8@10.944,12.018
EN2I_U_amp38: U1_U_amp38.8 U1_U_amp38_1.8 U2_U_amp38.9 U2_U_amp38_1.9 | length 25.6
  Top Layer w0.15: U2_U_amp38_1.9@-3.857,-2.383 -3.513,-2.383 2.268,-8.165 v1(2.268,-8.1) ; v1(-2.268,8.1) -2.268,8.165 3.513,2.383 U2_U_amp38.9@3.857,2.383
  Bottom Layer w0.15: v1(-2.268,8.1) -2.268,11.296 -2.097,11.468 U1_U_amp38.8@-1.546,12.018 ; U1_U_amp38_1.8@1.546,-12.018 2.097,-11.468 2.268,-11.296 v1(2.268,-8.1)
EN2I_U_amp39: U1_U_amp39.8 U1_U_amp39_1.8 U2_U_amp39.9 U2_U_amp39_1.9 | length 25.6
  Top Layer w0.15: v1(-14.759,8.1) -14.759,8.165 -8.977,2.383 U2_U_amp39.9@-8.634,2.383 ; U2_U_amp39_1.9@8.634,-2.383 8.977,-2.383 14.759,-8.165 v1(14.759,-8.1)
  Bottom Layer w0.15: v1(-14.759,8.1) -14.759,11.296 -14.587,11.468 U1_U_amp39.8@-14.037,12.018 ; U1_U_amp39_1.8@14.037,-12.018 14.587,-11.468 14.759,-11.296 v1(14.759,-8.1)
EN2I_U_amp40: U1_U_amp40.8 U1_U_amp40_1.8 U2_U_amp40.9 U2_U_amp40_1.9 | length 25.6
  Top Layer w0.15: v1(-27.249,8.1) -27.249,8.165 -21.467,2.383 U2_U_amp40.9@-21.124,2.383 ; U2_U_amp40_1.9@21.124,-2.383 21.467,-2.383 27.249,-8.165 v1(27.249,-8.1)
  Bottom Layer w0.15: v1(-27.249,8.1) -27.249,11.296 -27.077,11.468 U1_U_amp40.8@-26.527,12.018 ; U1_U_amp40_1.8@26.527,-12.018 27.077,-11.468 27.249,-11.296 v1(27.249,-8.1)
EN2I_U_amp41: U1_U_amp41.8 U1_U_amp41_1.8 U2_U_amp41.9 U2_U_amp41_1.9 | length 25.6
  Top Layer w0.15: v1(-39.739,8.1) -39.739,8.165 -33.957,2.383 U2_U_amp41.9@-33.614,2.383 ; U2_U_amp41_1.9@33.614,-2.383 33.957,-2.383 39.739,-8.165 v1(39.739,-8.1)
  Bottom Layer w0.15: v1(-39.739,8.1) -39.739,11.296 -39.567,11.468 U1_U_amp41.8@-39.017,12.018 ; U1_U_amp41_1.8@39.017,-12.018 39.567,-11.468 39.739,-11.296 v1(39.739,-8.1)
EN2I_U_amp42: U1_U_amp42.8 U1_U_amp42_1.8 U2_U_amp42.9 U2_U_amp42_1.9 | length 25.6
  Top Layer w0.15: v1(-52.229,8.1) -52.229,8.165 -46.447,2.383 U2_U_amp42.9@-46.104,2.383 ; U2_U_amp42_1.9@46.104,-2.383 46.447,-2.383 52.229,-8.165 v1(52.229,-8.1)
  Bottom Layer w0.15: v1(-52.229,8.1) -52.229,11.296 -52.058,11.468 U1_U_amp42.8@-51.507,12.018 ; U1_U_amp42_1.8@51.507,-12.018 52.058,-11.468 52.229,-11.296 v1(52.229,-8.1)
EN2I_U_amp43: U1_U_amp43.8 U1_U_amp43_1.8 U2_U_amp43.9 U2_U_amp43_1.9 | length 25.6
  Top Layer w0.15: v1(-64.719,8.1) -64.719,8.165 -58.938,2.383 U2_U_amp43.9@-58.594,2.383 ; U2_U_amp43_1.9@58.594,-2.383 58.938,-2.383 64.719,-8.165 v1(64.719,-8.1)
  Bottom Layer w0.15: v1(-64.719,8.1) -64.719,11.296 -64.548,11.468 U1_U_amp43.8@-63.997,12.018 ; U1_U_amp43_1.8@63.997,-12.018 64.548,-11.468 64.719,-11.296 v1(64.719,-8.1)
EN2I_U_amp44: U1_U_amp44.8 U1_U_amp44_1.8 U2_U_amp44.9 U2_U_amp44_1.9 | length 25.6
  Top Layer w0.15: v1(-77.21,8.1) -77.21,8.165 -71.428,2.383 U2_U_amp44.9@-71.085,2.383 ; U2_U_amp44_1.9@71.085,-2.383 71.428,-2.383 77.21,-8.165 v1(77.21,-8.1)
  Bottom Layer w0.15: v1(-77.21,8.1) -77.21,11.296 -77.038,11.468 U1_U_amp44.8@-76.488,12.018 ; U1_U_amp44_1.8@76.488,-12.018 77.038,-11.468 77.21,-11.296 v1(77.21,-8.1)
EN2I_U_amp45: U1_U_amp45.8 U1_U_amp45_1.8 U2_U_amp45.9 U2_U_amp45_1.9 | length 25.5
  Top Layer w0.15: v1(-89.8,8.3) -89.8,8.265 -83.918,2.383 U2_U_amp45.9@-83.575,2.383 ; U2_U_amp45_1.9@83.575,-2.383 83.918,-2.383 89.8,-8.265 v1(89.8,-8.3)
  Bottom Layer w0.15: v1(-89.8,8.3) -89.8,11.196 -89.528,11.468 U1_U_amp45.8@-88.978,12.018 ; U1_U_amp45_1.8@88.978,-12.018 89.528,-11.468 89.8,-11.196 v1(89.8,-8.3)
EN2I_U_amp46: 
EN2I_U_amp47: 
EN2I_U_amp48: 
EN2I_U_amp49: 
EN2I_U_amp50: 
EN2I_U_amp51: 
EN2I_U_amp52: 
EN2I_U_amp53: 
EN2I_U_amp54: 
EN2I_U_amp55: 
EN2I_U_amp56: 
EN2I_U_amp57: 
EN2I_U_amp58: 
EN2I_U_amp59: 
EN2I_U_amp60: 
EN2I_U_amp61: 
EN2I_U_amp62: 
EN2I_U_amp63: 
EN2I_U_amp64: 
EN2I_U_amp65: 
EN2I_U_amp66: 
EN2I_U_amp67: 
EN2I_U_amp68: 
EN2I_U_amp69: 
EN2I_U_amp70: 
EN2I_U_amp71: 
EN2I_U_amp72: 
EN2I_U_amp73: 
EN2I_U_amp74: 
EN2I_U_amp75: 
EN2I_U_amp76: 
EN2I_U_amp77: 
EN2I_U_amp78: 
EN2I_U_amp79: 
EN2I_U_amp80: 
EN2I_U_amp81: 
EN2I_U_amp82: 
EN2I_U_amp83: 
EN2I_U_amp84: 
EN2I_U_amp85: 
EN2I_U_amp86: 
EN2I_U_amp87: 
EN2I_U_amp88: 
EN2I_U_amp89: 
EN2I_U_amp90: 